# KiCad board gmsl-deserializer.kicad_pcb (continued)
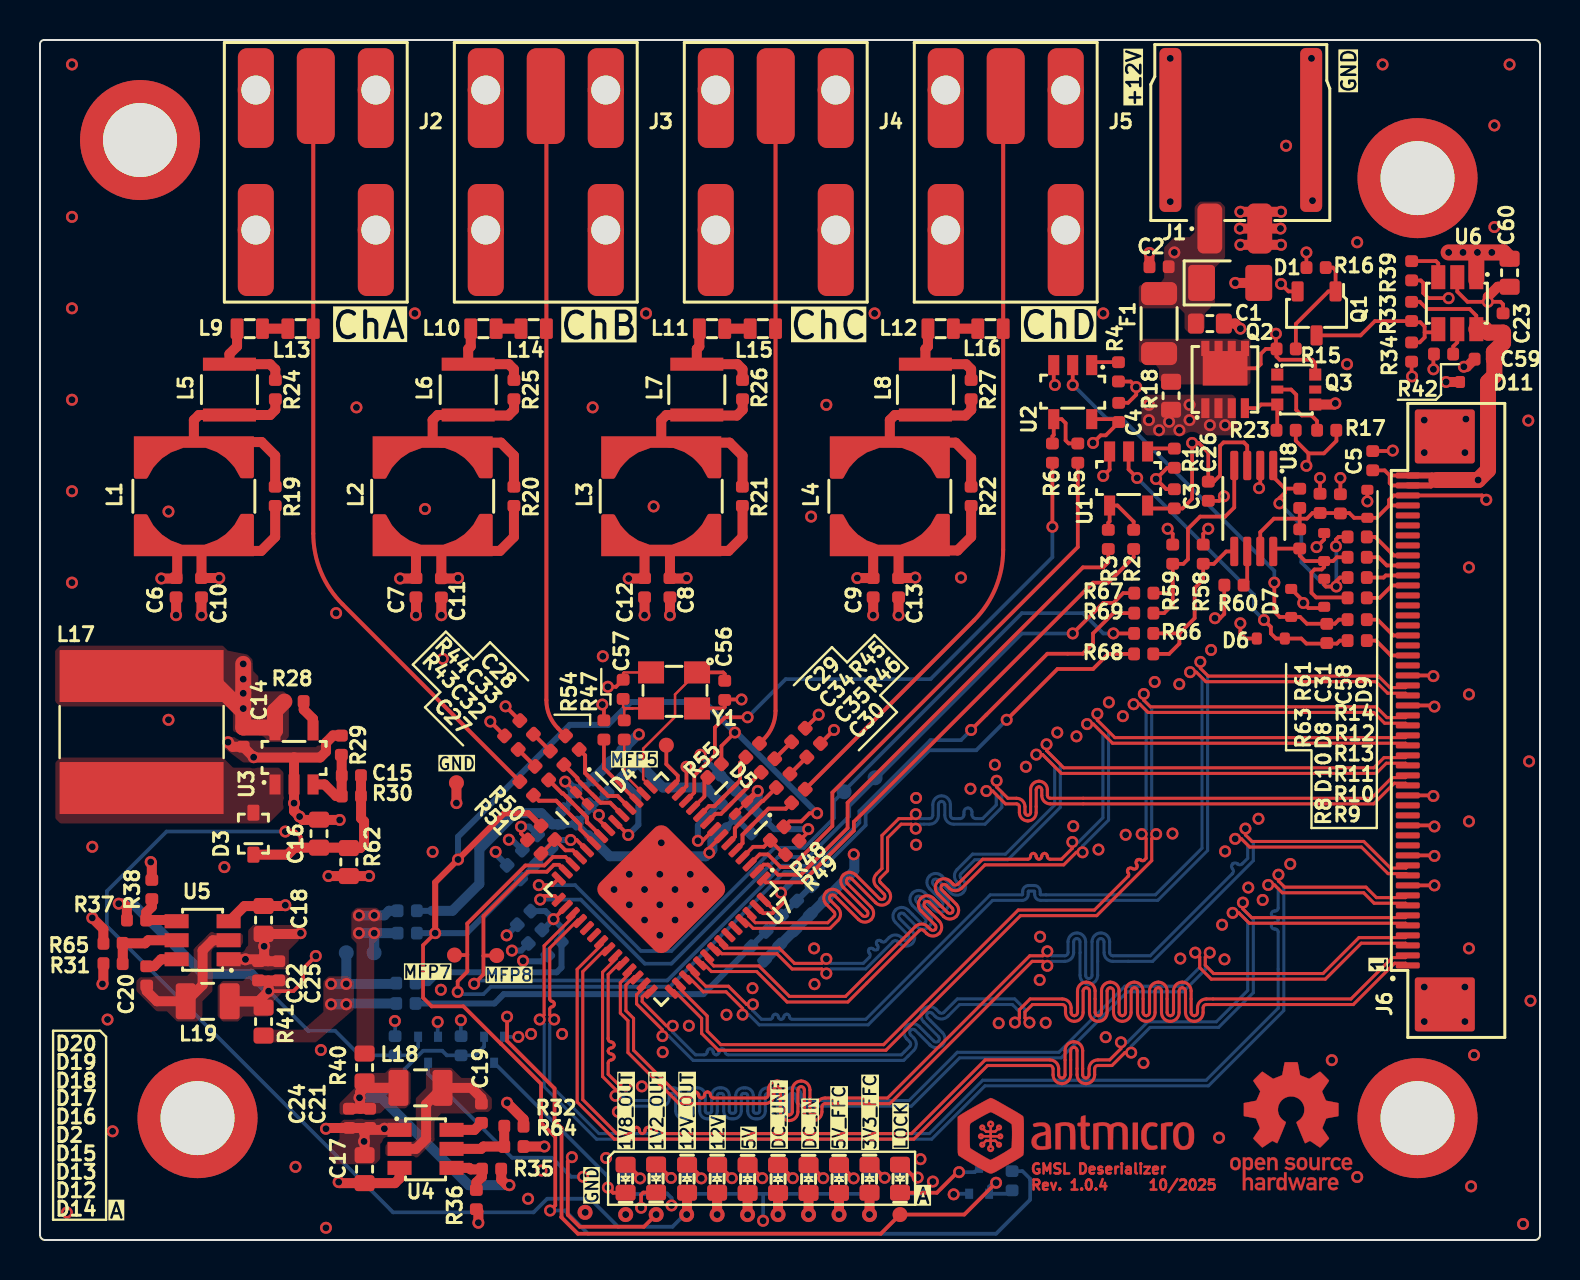
[diagram p0: board, top side]
## Routing (per net, layer and track width the routed paths; a pad name or vN(x,y) marks a point on that pad's centre or on a via; arc(x,y) is an arc through that point) (continued)
VDDIO: length 93.4
  Top w0.187: v1(25.5,1.47) 25.76,1.73 25.76,5.15 25.05,5.86 25.05,7.81 23.05,9.81 23.04,9.81 21.17,11.68 19.58,11.68 19.15,12.11 19.15,14.74 v1(19.76,15.34) ; 37.2,20.66 37.46,20.93 38.06,20.93 38.47,21.34 v1(38.86,21.34) ; v1(34.75,25.38) 34.07,24.7 34.07,23.81 ; 27.39,19.44 26.84,20 v1(26.53,20)
  Top w0.3: R50.2 24.42,21.34 23.22,21.34 v1(20.9,19.03) 19.76,17.88 v1(19.76,15.34)
  Bottom w0.187: v1(25.5,1.47) 26.24,1.47 27.4,0.31 47.8,0.31 49.5,2.01 49.5,3.06 49.12,3.44 R73.2
  Bottom w0.3: 18.85,15.34 v1(19.76,15.34) 21.33,15.34 25.99,20 v1(26.53,20) ; v1(20.9,19.03) 20.9,20.17 26.49,25.76 28.39,25.76 29.54,26.9 33.22,26.9 v1(34.75,25.38) 34.82,25.38 v1(38.86,21.34)
/Connectors/CSI0.CLK_N: length 64.2
  Top w0.155: v1(59.76,20.06) 60.07,20.06 60.48,19.65 66.07,19.65 67.4,18.32 68.3,18.32 68.41,18.21 ; 29.87,13.17 29.71,13.17 29.3,12.75 29.3,11.46 29.68,11.08 29.68,9.49 32.07,7.1 32.47,7.1 arc(32.58,7.14) 32.62,7.25 32.62,7.25 arc(32.67,7.36) 32.77,7.4 arc(32.88,7.36) 32.92,7.25 32.92,7.25 arc(32.97,7.14) 33.07,7.1 arc(33.18,7.14) 33.22,7.25 33.22,7.25 arc(33.27,7.36) 33.37,7.4 arc(33.48,7.36) 33.52,7.25 33.52,7.25 arc(33.57,7.14) 33.67,7.1 36.26,7.1 arc(36.37,7.15) 36.42,7.26 36.42,7.51 arc(36.54,7.82) 36.86,7.95 arc(37.17,7.82) 37.3,7.51 37.3,6.41 arc(37.34,6.3) 37.46,6.25 arc(37.57,6.3) 37.62,6.41 37.62,7.51 arc(37.74,7.82) 38.06,7.95 arc(38.37,7.82) 38.5,7.51 38.5,6.41 arc(38.54,6.3) 38.66,6.25 arc(38.77,6.3) 38.82,6.41 38.82,6.66 arc(38.94,6.97) 39.26,7.1 42.38,7.1 49.49,14.21 50.14,14.21 v1(50.37,14.43)
  Bottom w0.155: v1(59.76,20.06) 60.07,20.06 60.39,19.75 60.39,19.08 60.11,18.81 arc(59.99,18.76) 59.87,18.81 arc(59.75,18.86) 59.63,18.81 59.62,18.8 arc(59.57,18.68) 59.62,18.56 arc(59.67,18.44) 59.62,18.32 59.61,18.31 55.52,14.21 53.64,14.21 arc(53.53,14.26) 53.48,14.37 53.48,14.91 arc(53.35,15.22) 53.04,15.35 arc(52.73,15.22) 52.6,14.91 52.6,13.23 arc(52.56,13.12) 52.44,13.07 arc(52.33,13.12) 52.28,13.23 52.28,14.91 arc(52.15,15.22) 51.84,15.35 arc(51.53,15.22) 51.4,14.91 51.4,14.37 arc(51.36,14.26) 51.24,14.21 50.59,14.21 v1(50.37,14.43)
/Connectors/CSI0.CLK_P: length 64.3
  Top w0.155: v1(60.27,20.57) 60.27,20.26 60.6,19.93 66.19,19.93 67.52,18.6 68.3,18.6 68.41,18.71 ; v1(50.37,13.71) 50.14,13.93 49.61,13.93 42.49,6.82 39.26,6.82 arc(39.14,6.77) 39.1,6.66 39.1,6.41 arc(38.97,6.1) 38.66,5.97 arc(38.34,6.1) 38.22,6.41 38.22,7.51 arc(38.17,7.62) 38.06,7.67 arc(37.94,7.62) 37.9,7.51 37.9,6.41 arc(37.77,6.1) 37.46,5.97 arc(37.14,6.1) 37.02,6.41 37.02,7.51 arc(36.97,7.62) 36.86,7.67 arc(36.74,7.62) 36.7,7.51 36.7,7.26 arc(36.57,6.95) 36.26,6.82 31.95,6.82 29.4,9.37 29.4,10.97 29.02,11.35 29.02,12.87 29.52,13.36 29.52,13.52
  Bottom w0.155: v1(50.37,13.71) 50.59,13.93 51.24,13.93 arc(51.55,14.06) 51.68,14.37 51.68,14.91 arc(51.73,15.03) 51.84,15.07 arc(51.96,15.03) 52,14.91 52,13.23 arc(52.13,12.92) 52.44,12.79 arc(52.75,12.92) 52.88,13.23 52.88,14.91 arc(52.93,15.03) 53.04,15.07 arc(53.16,15.03) 53.2,14.91 53.2,14.37 arc(53.33,14.06) 53.64,13.93 55.63,13.93 60.67,18.97 60.67,19.86 60.27,20.26 v1(60.27,20.57)
/Connectors/CSI0.D0_N: length 64.2
  Top w0.155: v1(25.71,11.02) 25.49,11.25 25.49,11.55 arc(25.52,11.62) 25.6,11.66 arc(25.68,11.69) 25.71,11.77 25.71,11.83 arc(25.68,11.9) 25.6,11.94 arc(25.52,11.97) 25.49,12.05 25.49,14.6 26.89,15.99 27.04,15.99 ; J6.7 68.28,16.84 66.71,16.84 66.18,17.36 62.12,17.36 61.73,17.75 v1(61.41,17.75)
  Bottom w0.155: v1(61.41,17.75) 61.73,17.75 61.91,17.57 61.91,16.6 arc(61.87,16.49) 61.76,16.45 61.72,16.45 arc(61.61,16.41) 61.57,16.3 arc(61.61,16.19) 61.72,16.15 61.76,16.15 arc(61.87,16.11) 61.91,16 arc(61.87,15.89) 61.76,15.85 61.72,15.85 arc(61.61,15.81) 61.57,15.7 arc(61.61,15.59) 61.72,15.55 61.76,15.55 arc(61.87,15.51) 61.91,15.4 61.91,11.59 58.31,7.99 47.13,7.99 44.47,5.32 27.94,5.32 25.49,7.78 25.49,10.8 v1(25.71,11.02)
/Connectors/CSI0.D0_P: length 64.3
  Top w0.155: v1(61.92,18.27) 61.92,17.95 62.23,17.64 66.3,17.64 66.82,17.12 68.28,17.12 J6.8 ; v1(24.98,11.02) 25.21,11.25 25.21,14.71 26.69,16.19 26.69,16.35
  Bottom w0.155: v1(61.92,18.27) 61.92,17.95 62.19,17.68 62.19,11.47 58.42,7.71 47.25,7.71 44.58,5.04 27.83,5.04 25.21,7.66 25.21,10.8 v1(24.98,11.02)
/Connectors/CSI0.D1_N: length 64.3
  Top w0.155: 28.45,14.58 28.3,14.58 27.14,13.42 27.14,7.02 28.83,5.32 29.55,5.32 arc(29.65,5.36) 29.69,5.46 29.69,5.5 arc(29.73,5.59) 29.83,5.64 arc(29.93,5.59) 29.97,5.5 29.97,5.46 arc(30.01,5.36) 30.11,5.32 arc(30.21,5.36) 30.25,5.46 30.25,5.5 arc(30.29,5.59) 30.39,5.64 arc(30.49,5.59) 30.53,5.5 30.53,5.46 arc(30.57,5.36) 30.67,5.32 arc(30.77,5.36) 30.81,5.46 30.81,5.5 arc(30.85,5.59) 30.95,5.64 arc(31.05,5.59) 31.09,5.5 31.09,5.46 arc(31.13,5.36) 31.23,5.32 43.58,5.32 47.26,9.01 50.49,9.01 arc(50.8,8.88) 50.93,8.57 50.93,8.26 arc(50.98,8.14) 51.09,8.1 arc(51.21,8.14) 51.25,8.26 51.25,9.47 arc(51.38,9.78) 51.69,9.91 arc(52,9.78) 52.13,9.47 52.13,8.26 arc(52.18,8.14) 52.29,8.1 arc(52.41,8.14) 52.45,8.26 52.45,8.57 arc(52.58,8.88) 52.89,9.01 53.48,9.01 54.05,9.57 v1(54.05,9.88) ; v1(59.63,16.36) 59.95,16.36 60.46,15.84 68.28,15.84 J6.5
  Bottom w0.155: v1(59.63,16.36) 59.95,16.36 60.39,15.92 60.39,12.48 58.82,10.91 55.39,10.91 54.36,9.88 v1(54.05,9.88)
/Connectors/CSI0.D1_P: length 64.3
  Top w0.155: J6.6 68.28,16.12 60.58,16.12 60.14,16.55 v1(60.14,16.87) ; 28.1,14.93 28.1,14.78 26.86,13.53 26.86,6.9 28.72,5.04 43.69,5.04 47.38,8.73 50.49,8.73 arc(50.61,8.68) 50.65,8.57 50.65,8.26 arc(50.78,7.95) 51.09,7.82 arc(51.4,7.95) 51.53,8.26 51.53,9.47 arc(51.58,9.59) 51.69,9.63 arc(51.81,9.59) 51.85,9.47 51.85,8.26 arc(51.98,7.95) 52.29,7.82 arc(52.6,7.95) 52.73,8.26 52.73,8.57 arc(52.78,8.68) 52.89,8.73 53.6,8.73 54.24,9.37 v1(54.56,9.37)
  Bottom w0.155: v1(60.14,16.87) 60.14,16.55 60.67,16.03 60.67,12.36 58.93,10.63 55.5,10.63 54.56,9.69 v1(54.56,9.37)
/Connectors/CSI0.D2_N: length 64.2
  Top w0.155: 29.16,13.87 29.01,13.87 28.41,13.28 28.41,10.05 arc(28.45,9.95) 28.56,9.9 arc(28.66,9.86) 28.71,9.75 arc(28.66,9.65) 28.56,9.6 arc(28.45,9.56) 28.41,9.45 arc(28.45,9.35) 28.56,9.3 arc(28.66,9.26) 28.71,9.15 arc(28.66,9.05) 28.56,9 arc(28.45,8.96) 28.41,8.85 28.41,8.29 28.97,7.72 v1(29.29,7.72) ; v1(57.76,14.37) 57.98,14.14 57.98,13.62 58.56,13.04 64.27,13.04 66.06,14.84 68.28,14.84 J6.3
  Bottom w0.155: v1(57.76,14.37) 57.98,14.14 57.98,13.63 57.04,12.69 54.25,12.69 50.94,9.39 45.86,9.39 43.45,6.97 38.17,6.97 arc(38.1,7) 38.07,7.08 38.07,7.22 arc(37.95,7.49) 37.68,7.61 37.57,7.61 arc(37.3,7.49) 37.19,7.22 37.19,6.45 arc(37.15,6.37) 37.08,6.34 36.97,6.34 arc(36.9,6.37) 36.86,6.45 36.86,7.22 arc(36.75,7.49) 36.48,7.61 36.37,7.61 arc(36.1,7.49) 35.98,7.22 35.98,6.45 arc(35.95,6.37) 35.88,6.34 35.77,6.34 arc(35.7,6.37) 35.67,6.45 35.67,7.22 arc(35.55,7.49) 35.28,7.61 35.17,7.61 arc(34.9,7.49) 34.79,7.22 34.79,6.45 arc(34.75,6.37) 34.68,6.34 34.57,6.34 arc(34.5,6.37) 34.47,6.45 34.47,7.22 arc(34.35,7.49) 34.08,7.61 33.97,7.61 arc(33.7,7.49) 33.58,7.22 33.58,6.45 arc(33.55,6.37) 33.48,6.34 33.37,6.34 arc(33.3,6.37) 33.27,6.45 33.27,7.22 arc(33.15,7.49) 32.88,7.61 32.77,7.61 arc(32.5,7.49) 32.39,7.22 32.39,6.45 arc(32.35,6.37) 32.28,6.34 32.17,6.34 arc(32.1,6.37) 32.07,6.45 32.07,7.22 32.06,7.22 arc(31.95,7.49) 31.67,7.61 31.57,7.61 arc(31.3,7.49) 31.18,7.22 31.18,7.08 arc(31.15,7) 31.08,6.97 29.72,6.97 29.29,7.41 v1(29.29,7.72)
/Connectors/CSI0.D2_P: length 64.3
  Top w0.155: v1(58.49,14.37) 58.26,14.14 58.26,13.74 58.68,13.32 64.15,13.32 65.95,15.12 68.28,15.12 J6.4 ; v1(28.77,7.21) 28.77,7.53 28.13,8.17 28.13,13.39 28.81,14.07 28.81,14.23
  Bottom w0.155: v1(58.49,14.37) 58.26,14.14 58.26,13.52 57.15,12.41 54.36,12.41 51.06,9.11 45.98,9.11 43.57,6.69 38.17,6.69 arc(37.9,6.81) 37.79,7.08 37.79,7.22 arc(37.75,7.3) 37.68,7.33 37.57,7.33 arc(37.5,7.3) 37.47,7.22 37.47,6.45 arc(37.35,6.17) 37.08,6.06 36.97,6.06 arc(36.7,6.17) 36.58,6.45 36.58,7.22 arc(36.55,7.3) 36.48,7.33 36.37,7.33 arc(36.3,7.3) 36.27,7.22 36.27,6.45 arc(36.15,6.17) 35.88,6.06 35.77,6.06 arc(35.5,6.17) 35.39,6.45 35.39,7.22 arc(35.35,7.3) 35.28,7.33 35.17,7.33 arc(35.1,7.3) 35.07,7.22 35.07,6.45 arc(34.95,6.17) 34.68,6.06 34.57,6.06 arc(34.3,6.17) 34.19,6.45 34.19,7.22 arc(34.15,7.3) 34.08,7.33 33.97,7.33 arc(33.9,7.3) 33.86,7.22 33.86,6.45 arc(33.75,6.17) 33.48,6.06 33.37,6.06 arc(33.1,6.17) 32.98,6.45 32.98,7.22 arc(32.95,7.3) 32.88,7.33 32.77,7.33 arc(32.7,7.3) 32.67,7.22 32.67,6.45 arc(32.55,6.17) 32.28,6.06 32.17,6.06 arc(31.9,6.17) 31.79,6.45 31.78,6.45 31.78,7.22 arc(31.75,7.3) 31.67,7.33 31.57,7.33 arc(31.49,7.3) 31.46,7.22 31.46,7.08 arc(31.35,6.81) 31.08,6.69 29.61,6.69 29.09,7.21 v1(28.77,7.21)
/Connectors/CSI0.D3_N: length 64.2
  Top w0.155: v1(31.64,10.71) 31.32,10.71 30.11,11.92 30.11,12.15 30.42,12.46 30.58,12.46 ; J6.1 68.28,13.84 67.73,13.84 65.66,11.77 58.32,11.77 arc(58.2,11.73) 58.16,11.61 58.16,11.37 arc(58.03,11.06) 57.72,10.93 arc(57.4,11.06) 57.27,11.37 57.27,12.45 arc(57.23,12.57) 57.11,12.61 arc(57,12.57) 56.95,12.45 56.95,11.37 arc(56.83,11.06) 56.52,10.93 arc(56.2,11.06) 56.08,11.37 56.08,12.45 arc(56.03,12.57) 55.92,12.61 arc(55.8,12.57) 55.76,12.45 55.76,11.37 arc(55.63,11.06) 55.32,10.93 arc(55,11.06) 54.88,11.37 54.88,12.45 arc(54.83,12.57) 54.72,12.61 arc(54.6,12.57) 54.55,12.45 54.55,11.37 arc(54.43,11.06) 54.11,10.93 arc(53.8,11.06) 53.67,11.37 53.67,12.45 arc(53.63,12.57) 53.52,12.61 arc(53.4,12.57) 53.36,12.45 53.36,11.37 arc(53.23,11.06) 52.92,10.93 arc(52.6,11.06) 52.48,11.37 52.48,12.45 arc(52.43,12.57) 52.32,12.61 arc(52.2,12.57) 52.16,12.45 52.16,11.37 arc(52.03,11.06) 51.72,10.93 arc(51.4,11.06) 51.27,11.37 51.27,11.61 arc(51.23,11.73) 51.11,11.77 49.62,11.77 49.25,11.4 49.25,11.1 v1(49.47,10.87)
  Bottom w0.155: v1(31.64,10.71) 31.64,10.39 32.77,9.26 33.21,9.26 arc(33.31,9.3) 33.36,9.41 33.36,9.41 arc(33.4,9.52) 33.51,9.56 arc(33.61,9.52) 33.66,9.41 33.66,9.41 arc(33.7,9.3) 33.81,9.26 arc(33.91,9.3) 33.96,9.41 33.96,9.41 arc(34,9.52) 34.11,9.56 arc(34.21,9.52) 34.26,9.41 34.26,9.41 arc(34.3,9.3) 34.41,9.26 43.07,9.26 43.49,9.68 arc(43.54,9.79) 43.49,9.91 43.33,10.07 arc(43.2,10.38) 43.33,10.69 arc(43.64,10.82) 43.95,10.69 44.7,9.94 arc(44.81,9.9) 44.92,9.94 arc(44.97,10.06) 44.92,10.17 44.18,10.92 arc(44.05,11.23) 44.18,11.54 arc(44.49,11.67) 44.8,11.54 44.96,11.38 arc(45.07,11.33) 45.19,11.38 45.86,12.05 48.73,12.05 49.25,11.54 49.25,11.1 v1(49.47,10.87)
/Connectors/CSI0.D3_P: length 64.2
  Top w0.155: 30.22,12.81 30.22,12.66 29.83,12.26 29.83,11.81 31.12,10.51 v1(31.12,10.2) ; v1(48.75,10.87) 48.97,11.1 48.97,11.52 49.51,12.05 51.11,12.05 arc(51.43,11.92) 51.55,11.61 51.55,11.37 arc(51.6,11.26) 51.72,11.21 arc(51.83,11.26) 51.88,11.37 51.88,12.45 arc(52,12.76) 52.32,12.89 arc(52.63,12.76) 52.76,12.45 52.76,11.37 arc(52.8,11.26) 52.92,11.21 arc(53.03,11.26) 53.08,11.37 53.08,12.45 arc(53.2,12.76) 53.52,12.89 arc(53.83,12.76) 53.95,12.45 53.95,11.37 arc(54,11.26) 54.11,11.21 arc(54.23,11.26) 54.27,11.37 54.27,12.45 arc(54.4,12.76) 54.72,12.89 arc(55.03,12.76) 55.16,12.45 55.16,11.37 arc(55.2,11.26) 55.32,11.21 arc(55.43,11.26) 55.48,11.37 55.48,12.45 arc(55.6,12.76) 55.92,12.89 arc(56.23,12.76) 56.36,12.45 56.36,11.37 arc(56.4,11.26) 56.52,11.21 arc(56.63,11.26) 56.67,11.37 56.67,12.45 arc(56.8,12.76) 57.11,12.89 arc(57.43,12.76) 57.55,12.45 57.55,11.37 arc(57.6,11.26) 57.72,11.21 arc(57.83,11.26) 57.88,11.37 57.88,11.61 arc(58,11.92) 58.32,12.05 65.55,12.05 67.61,14.12 68.28,14.12 J6.2
  Bottom w0.155: v1(48.75,10.87) 48.97,11.1 48.97,11.42 48.62,11.77 45.98,11.77 45.38,11.18 arc(45.07,11.05) 44.76,11.18 44.6,11.34 arc(44.49,11.39) 44.38,11.34 arc(44.33,11.23) 44.38,11.11 45.12,10.37 arc(45.25,10.06) 45.12,9.75 arc(44.81,9.62) 44.5,9.75 43.75,10.49 arc(43.64,10.54) 43.53,10.49 arc(43.48,10.38) 43.53,10.26 43.69,10.1 arc(43.82,9.79) 43.69,9.48 43.18,8.98 32.66,8.98 31.44,10.2 v1(31.12,10.2)
/Connectors/CSI1.CLK_N: length 52.2
  Top w0.155: v1(57.5,28.39) 57.82,28.39 58.3,27.92 66.81,27.92 67.38,27.34 68.28,27.34 J6.28 ; v1(35.64,11.78) 35.33,11.78 34.42,12.69 33.29,12.69 32.61,13.36 32.61,13.52
  Bottom w0.155: v1(35.64,11.78) 35.64,11.47 36.07,11.04 36.51,11.04 arc(36.6,11.07) 36.64,11.16 arc(36.67,11.25) 36.76,11.29 36.79,11.29 arc(36.88,11.25) 36.92,11.16 arc(36.95,11.07) 37.04,11.04 37.07,11.04 arc(37.16,11.07) 37.2,11.16 arc(37.23,11.25) 37.32,11.29 37.35,11.29 arc(37.44,11.25) 37.48,11.16 arc(37.51,11.07) 37.6,11.04 41.29,11.04 47.51,17.26 49.11,17.26 arc(49.12,17.27) 49.13,17.28 49.13,17.42 arc(49.22,17.64) 49.43,17.72 49.71,17.72 arc(49.92,17.64) 50.01,17.42 50.01,17.28 arc(50.02,17.27) 50.03,17.26 55.77,17.26 58.1,19.59 58.1,28.11 57.82,28.39 v1(57.5,28.39)
/Connectors/CSI1.CLK_P: length 52.3
  Top w0.155: v1(35.13,11.27) 35.13,11.58 34.31,12.41 33.17,12.41 32.41,13.17 32.26,13.17 ; J6.29 68.28,27.62 67.5,27.62 66.92,28.2 58.41,28.2 58.02,28.59 v1(58.02,28.9)
  Bottom w0.155: v1(58.02,28.9) 58.02,28.59 58.38,28.23 58.38,19.48 55.88,16.98 50.03,16.98 arc(49.82,17.07) 49.73,17.28 49.73,17.42 arc(49.72,17.44) 49.71,17.44 49.43,17.44 arc(49.42,17.44) 49.41,17.42 49.41,17.28 arc(49.32,17.07) 49.11,16.98 47.63,16.98 41.41,10.76 35.96,10.76 35.45,11.27 v1(35.13,11.27)
/Connectors/CSI1.D0_N: length 52.1
  Top w0.155: J6.25 68.28,25.84 67.23,25.84 66.69,26.38 55.4,26.38 54.99,26.79 v1(54.68,26.79) ; v1(55.08,20.3) 55.31,20.07 55.31,19.08 55.22,19 arc(55.13,18.96) 55.04,19 arc(54.95,19.03) 54.87,19 54.83,18.96 arc(54.79,18.87) 54.83,18.78 arc(54.87,18.7) 54.83,18.61 54.8,18.57 arc(54.71,18.54) 54.62,18.57 arc(54.53,18.61) 54.44,18.57 54.41,18.54 arc(54.37,18.45) 54.41,18.36 arc(54.44,18.27) 54.41,18.18 52.72,16.5 48.91,16.5 42.18,9.77 34.04,9.77 33.36,10.45 33.36,11.2 31.9,12.66 31.9,12.81
  Bottom w0.155: v1(55.08,20.3) 55.31,20.52 55.31,26.48 54.99,26.79 v1(54.68,26.79)
/Connectors/CSI1.D0_P: length 52.2
  Top w0.155: J6.26 68.28,26.12 67.35,26.12 66.81,26.66 55.52,26.66 55.19,26.99 v1(55.19,27.3) ; v1(55.81,20.3) 55.59,20.07 55.59,18.97 52.84,16.22 49.03,16.22 42.3,9.49 33.93,9.49 33.08,10.33 33.08,11.08 31.7,12.46 31.55,12.46
  Bottom w0.155: v1(55.19,27.3) 55.19,26.99 55.59,26.59 55.59,20.52 v1(55.81,20.3)
/Connectors/CSI1.D1_N: length 52.2
  Top w0.155: v1(52.35,25.79) 52.67,25.79 53.63,24.84 68.28,24.84 J6.23 ; v1(51.62,19.9) 51.62,19.58 51.07,19.04 50.51,19.04 arc(50.41,19.08) 50.37,19.18 50.37,19.19 arc(50.32,19.29) 50.23,19.33 arc(50.13,19.29) 50.09,19.19 50.09,19.18 arc(50.04,19.08) 49.95,19.04 arc(49.85,19.08) 49.81,19.18 49.81,19.19 arc(49.76,19.29) 49.67,19.33 arc(49.57,19.29) 49.53,19.19 49.53,19.18 arc(49.48,19.08) 49.39,19.04 47.13,19.04 45.89,17.79 arc(45.77,17.74) 45.66,17.79 45.52,17.93 arc(45.2,18.06) 44.89,17.93 arc(44.76,17.62) 44.89,17.31 45.61,16.6 arc(45.65,16.49) 45.61,16.37 arc(45.49,16.33) 45.38,16.37 44.67,17.09 arc(44.36,17.21) 44.04,17.09 arc(43.92,16.77) 44.04,16.46 44.76,15.75 arc(44.8,15.64) 44.76,15.53 arc(44.64,15.48) 44.53,15.53 44.39,15.67 arc(44.08,15.8) 43.76,15.67 40.28,12.18 37.47,12.18 35.95,13.7 33.68,13.7 33.32,14.07 33.32,14.23
  Bottom w0.155: v1(51.62,19.9) 51.93,19.9 53.15,21.11 53.15,25.32 52.67,25.79 v1(52.35,25.79)
/Connectors/CSI1.D1_P: length 52.2
  Top w0.155: 32.96,13.87 33.12,13.87 33.57,13.42 35.83,13.42 37.35,11.9 40.39,11.9 43.96,15.47 arc(44.08,15.52) 44.19,15.47 44.33,15.33 arc(44.64,15.2) 44.95,15.33 arc(45.08,15.64) 44.95,15.95 44.24,16.66 arc(44.2,16.77) 44.24,16.89 arc(44.36,16.93) 44.47,16.89 45.18,16.18 arc(45.49,16.05) 45.8,16.18 arc(45.93,16.49) 45.8,16.8 45.09,17.51 arc(45.04,17.62) 45.09,17.74 arc(45.2,17.78) 45.32,17.74 45.46,17.59 arc(45.77,17.46) 46.08,17.59 47.25,18.76 51.19,18.76 51.81,19.39 v1(52.13,19.39) ; J6.24 68.28,25.12 53.74,25.12 52.87,25.99 v1(52.87,26.31)
  Bottom w0.155: v1(52.13,19.39) 52.13,19.7 53.43,21 53.43,25.43 52.87,25.99 v1(52.87,26.31)
/Connectors/CSI1.D2_N: length 52.2
  Top w0.155: 34.02,14.93 34.02,14.78 34.21,14.59 36.96,14.59 37.72,13.83 39.09,13.83 v1(39.32,14.05) ; v1(49.81,24.27) 50.13,24.27 51.07,23.33 66.81,23.33 67.32,23.84 68.28,23.84 J6.21
  Bottom w0.155: v1(49.81,24.27) 50.13,24.27 50.73,23.67 50.73,21.75 48.28,19.29 46.63,19.29 45.85,18.52 arc(45.72,18.21) 45.85,17.9 45.95,17.79 arc(46,17.68) 45.95,17.56 arc(45.84,17.52) 45.73,17.56 45.1,18.2 arc(44.78,18.33) 44.47,18.2 arc(44.34,17.89) 44.47,17.58 45.11,16.94 arc(45.15,16.83) 45.11,16.72 arc(44.99,16.67) 44.88,16.72 44.25,17.35 arc(43.94,17.48) 43.63,17.35 arc(43.5,17.04) 43.63,16.73 44.26,16.09 arc(44.3,15.98) 44.26,15.87 arc(44.14,15.82) 44.03,15.87 43.4,16.5 arc(43.09,16.63) 42.78,16.5 arc(42.65,16.19) 42.78,15.88 43.41,15.25 arc(43.46,15.13) 43.41,15.02 arc(43.3,14.97) 43.18,15.02 43.08,15.12 arc(42.77,15.25) 42.46,15.12 42.27,14.93 arc(42.17,14.89) 42.07,14.93 42.05,14.95 arc(41.95,14.99) 41.86,14.95 arc(41.81,14.85) 41.86,14.75 41.87,14.74 arc(41.91,14.64) 41.87,14.54 arc(41.77,14.5) 41.67,14.54 41.66,14.55 arc(41.56,14.59) 41.46,14.55 arc(41.42,14.45) 41.46,14.35 41.47,14.34 arc(41.52,14.24) 41.47,14.14 41.16,13.83 39.54,13.83 v1(39.32,14.05)
/Connectors/CSI1.D2_P: length 52.1
  Top w0.155: J6.22 68.28,24.12 67.2,24.12 66.69,23.61 51.19,23.61 50.33,24.47 v1(50.33,24.78) ; v1(39.32,13.33) 39.09,13.55 37.61,13.55 36.85,14.31 34.09,14.31 33.83,14.58 33.67,14.58
  Bottom w0.155: v1(50.33,24.78) 50.33,24.47 51.01,23.78 51.01,21.63 48.39,19.01 46.74,19.01 46.05,18.32 arc(46,18.21) 46.05,18.09 46.15,17.99 arc(46.28,17.68) 46.15,17.37 arc(45.84,17.24) 45.53,17.37 44.9,18 arc(44.78,18.05) 44.67,18 arc(44.62,17.89) 44.67,17.77 45.3,17.14 arc(45.43,16.83) 45.3,16.52 arc(44.99,16.39) 44.68,16.52 44.05,17.15 arc(43.94,17.2) 43.82,17.15 arc(43.78,17.04) 43.82,16.92 44.46,16.29 arc(44.58,15.98) 44.46,15.67 arc(44.14,15.54) 43.83,15.67 43.2,16.3 arc(43.09,16.35) 42.97,16.3 arc(42.93,16.19) 42.97,16.08 43.61,15.44 arc(43.74,15.13) 43.61,14.82 arc(43.3,14.69) 42.98,14.82 42.88,14.93 arc(42.77,14.97) 42.65,14.93 41.28,13.55 39.54,13.55 v1(39.32,13.33)
/Connectors/CSI1.D3_N: length 52.2
  Top w0.155: v1(47.32,22.45) 47.63,22.45 48.28,21.81 48.83,21.81 arc(48.93,21.76) 48.97,21.67 48.97,21.37 arc(49.09,21.08) 49.39,20.95 arc(49.69,21.08) 49.81,21.37 49.81,22.52 arc(49.85,22.62) 49.95,22.66 arc(50.05,22.62) 50.09,22.52 50.09,22.23 arc(50.21,21.93) 50.51,21.81 66.68,21.81 67.71,22.84 68.28,22.84 J6.19 ; v1(43.79,21.29) 43.57,21.07 42.94,21.07 42.1,20.23 42.1,18.57 41.82,18.3 arc(41.69,17.99) 41.82,17.68 42.2,17.29 arc(42.25,17.18) 42.2,17.07 arc(42.09,17.02) 41.98,17.07 40.79,18.26 arc(40.48,18.38) 40.17,18.26 arc(40.04,17.94) 40.17,17.63 41.35,16.45 arc(41.4,16.33) 41.35,16.22 arc(41.24,16.17) 41.13,16.22 39.94,17.41 arc(39.63,17.54) 39.32,17.41 arc(39.19,17.1) 39.32,16.79 39.7,16.4 arc(39.75,16.29) 39.7,16.18 39.39,15.86 35.77,15.86 35.44,16.19 35.44,16.35
  Bottom w0.155: v1(43.79,21.29) 44.01,21.07 44.48,21.07 arc(44.59,21.12) 44.64,21.23 44.64,21.77 arc(44.77,22.08) 45.08,22.21 arc(45.39,22.08) 45.52,21.77 45.52,21.23 arc(45.57,21.12) 45.68,21.07 46,21.07 arc(46.14,21.13) 46.2,21.27 46.2,21.4 arc(46.26,21.54) 46.4,21.6 arc(46.54,21.54) 46.6,21.4 46.6,21.27 arc(46.66,21.13) 46.8,21.07 47.13,21.07 47.81,21.75 47.81,22.27 47.63,22.45 v1(47.32,22.45)
/Connectors/CSI1.D3_P: length 52.1
  Top w0.155: J6.20 68.28,23.12 67.6,23.12 66.56,22.09 50.51,22.09 arc(50.41,22.13) 50.37,22.23 50.37,22.52 arc(50.25,22.82) 49.95,22.94 arc(49.65,22.82) 49.53,22.52 49.53,21.37 arc(49.49,21.27) 49.39,21.23 arc(49.29,21.27) 49.25,21.37 49.25,21.67 arc(49.13,21.96) 48.83,22.09 48.39,22.09 47.83,22.65 v1(47.83,22.96) ; 35.08,15.99 35.24,15.99 35.65,15.58 39.5,15.58 39.9,15.98 arc(40.03,16.29) 39.9,16.6 39.52,16.98 arc(39.47,17.1) 39.52,17.21 arc(39.63,17.26) 39.74,17.21 40.93,16.02 arc(41.24,15.89) 41.55,16.02 arc(41.68,16.33) 41.55,16.64 40.36,17.83 arc(40.32,17.94) 40.36,18.06 arc(40.48,18.1) 40.59,18.06 41.78,16.87 arc(42.09,16.74) 42.4,16.87 arc(42.53,17.18) 42.4,17.49 42.02,17.87 arc(41.97,17.99) 42.02,18.1 42.38,18.46 42.38,20.11 43.06,20.79 43.57,20.79 v1(43.79,20.57)
  Bottom w0.155: v1(47.83,22.96) 47.83,22.65 48.09,22.38 48.09,21.63 47.25,20.79 45.68,20.79 arc(45.37,20.92) 45.24,21.23 45.24,21.77 arc(45.19,21.88) 45.08,21.93 arc(44.97,21.88) 44.92,21.77 44.92,21.23 arc(44.79,20.92) 44.48,20.79 44.01,20.79 v1(43.79,20.57)
/Connectors/DC_IN: length 119.6